# Altium PCB Motherboard.PcbDoc (part 3 of 3)
Units mil, origin at the board's own origin, x right, y up, seen from the top; angles counter-clockwise.
Board outline 10000.03 x 5000.03 mil, 6 copper layers (Top Layer, Mid Layer 1, Mid Layer 2, Mid Layer 3, Mid Layer 4, Bottom Layer), stack 47.126 mil thick; 319 components, 255 nets, 1281 pads, 1580 vias.
Unrouted connection lines stored in the file: 180.
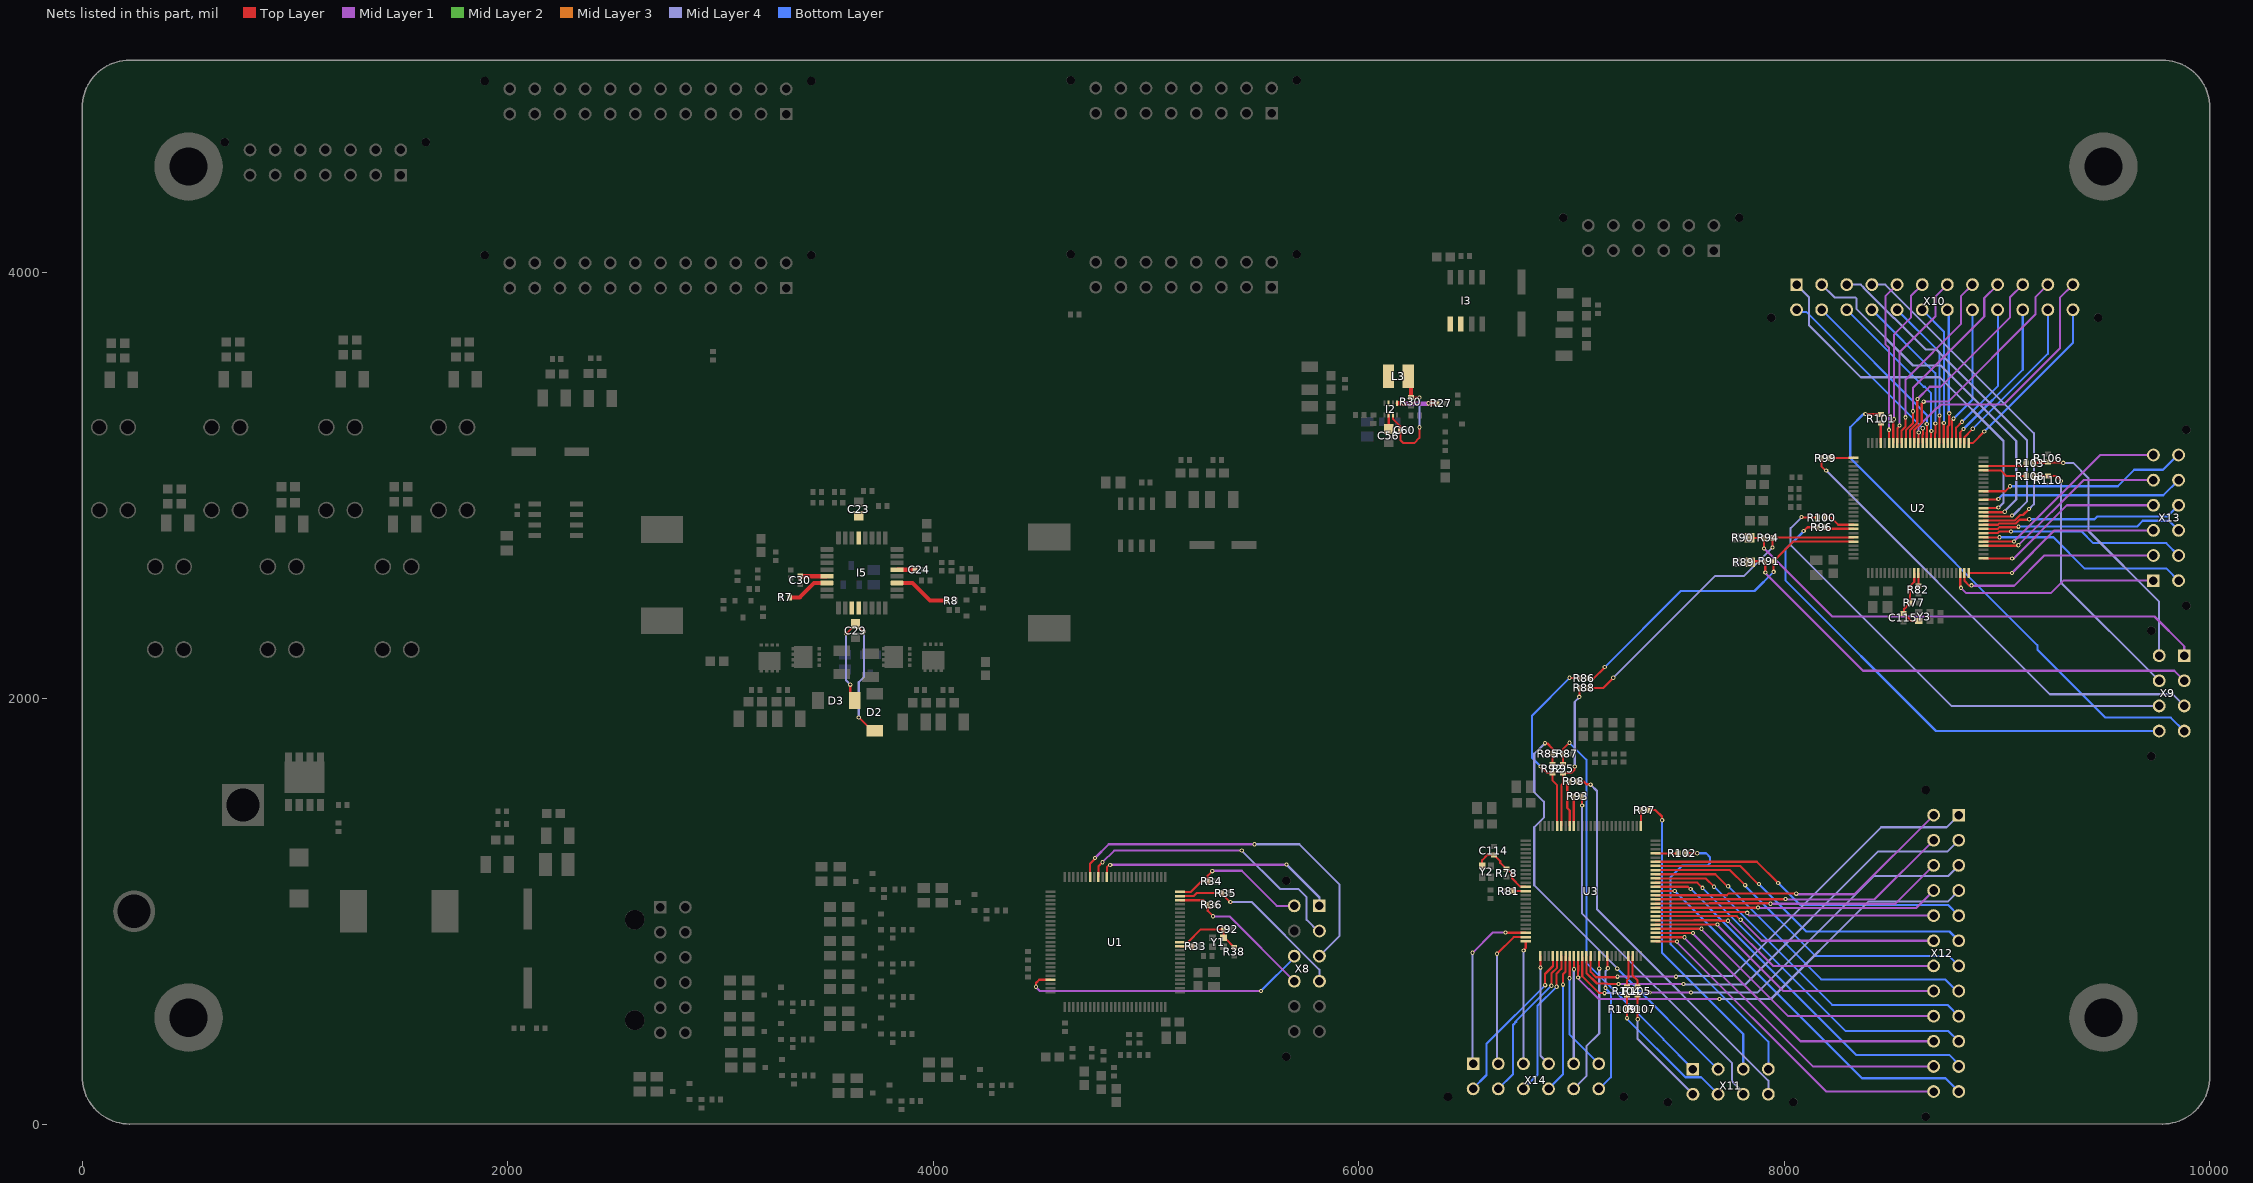
[diagram p7: the nets of this part, all layers, seen from the top]

## Via types
v1: diameter 20, hole 10, Top Layer to Bottom Layer, tented both sides, 1580 vias

## Nets (pads, with @x,y where several pads share a name; then routed paths per layer and width w, separated by ;. In a path a pad name is that pad's centre, name@x,y a point inside that pad or via, vN(x,y) a via of type N, cw(c..) or ccw(c..) an arc to the next point about the centre after c; other vN are vias at no path point) (continued)
NetR85_2: R85.2 R92.2 X11.P$2 | length 2069.4
  Top Layer w10: v1(6875,1790) 6876.91,1788.09 6886.91,1788.09 6909.84,1765.16 6909.84,1689.84 R92.2@6910,1689.68
  Mid Layer 4 w10: v1(6875,1790) 6825,1740 6825,1560 6870,1515 6870,1485 6870,1440 6825,1395 6825,1121.88 7215,731.88 v1(7215,730)
  Bottom Layer w10: v1(7215,730) 7215.94,730 7687.83,258.11 X11.P$2@7688.77,258.11
NetR87_2: R87.2 R95.2 X11.P$1 | length 1891.3
  Top Layer w10: R95.2@6960,1689.68 6960.16,1689.84 R87.2@6960.16,1739.84 ; R87.2@6960.31,1740 6960.31,1741.97 6960.79,1742.44 6960.79,1762.92 v1(6990,1792.13)
  Bottom Layer w10: v1(6990,1792.13) 7070,1712.13 7070,758.28 7267.97,560.31 7271.5,560.31 7432.9,398.9 7432.9,395.87 X11.P$1@7570.66,258.11
NetR89_2: R89.2 R91.2 X9.P$2 | length 2304.3
  Top Layer w10: R89.2@7840,2641.5 7843.5,2645 7910,2645 7910.67,2644.33 7910.67,2592.85 v1(7911.02,2592.5)
  Mid Layer 1 w10: v1@7910,2590 8370,2130 9833.12,2130 X9.P$2@9880,2083.12
NetR90_1: R90.1 R94.2 X9.P$1 | length 2329.4
  Top Layer w10: R90.1@7835,2755 R90.1@7836.5,2755 7905,2755 7905.16,2754.84 7905.16,2705.16 v1(7905,2705)
  Mid Layer 1 w10: v1(7905,2705) 8225,2385 9740,2385 9880,2245 X9.P$1@9880,2201.23
NetR93_1: R93.1 U3.92 | length 140.3
  Top Layer w10: R93.1@7010.31,1540 7010.31,1418.78 7011.26,1417.83 U3.92@7011.26,1400.12
NetR93_2: R93.2 X11.P$7 | length 1711.6
  Top Layer w10: v1(7049.84,1496.89) 7049.76,1496.97 7049.76,1539.76 R93.2@7050,1540
  Mid Layer 4 w10: v1@7048.82,1494.39 7048.82,991.18 7755,285 7755,200 7806.89,148.11 X11.P$7@7806.89,140
NetR96_1: R96.1 U2.93 | length 131.6
  Top Layer w10: R96.1@8195,2800 8197.4,2797.6 8324.29,2797.6 U2.93@8325.2,2796.69
NetR96_2: R96.2 X9.P$8 | length 2386.6
  Top Layer w10: v1(8091.02,2787.5) 8091.37,2787.5 8108.88,2805 R96.2@8155,2805
  Bottom Layer w10: v1@8090,2785 8005,2700 8005,2555 8713.11,1846.89 X9.P$8@9761.89,1846.89
NetR97_1: R97.1 U3.76 | length 75.4
  Top Layer w10: R97.1@7325,1475 7325.77,1474.23 7325.77,1400.57 U3.76@7326.22,1400.12
NetR97_2: R97.2 X11.P$3 | length 1419.3
  Top Layer w10: R97.2@7364.69,1475 7395,1475 7425,1445 v1@7425,1425
  Mid Layer 2 w10: X11.P$3@7806.89,263.11 X11.P$3@7810,260
  Bottom Layer w10: v1(7426.02,1427.5) 7426.02,803.98 7806.89,423.11 X11.P$3@7806.89,263.11
NetR98_1: R98.1 U3.93 | length 218.9
  Top Layer w10: R98.1@6990.31,1610 6990.31,1608.03 6980,1597.72 6980,1485 6991.57,1473.43 U3.93@6991.57,1400.12
NetR98_2: R98.2 X11.P$8 | length 1867.1
  Top Layer w10: R98.2@7030,1610 7057.29,1610 7070.38,1596.91 7088.09,1596.91 v1(7090,1595)
  Mid Layer 4 w10: v1(7090,1595) 7120,1565 7120,1008.66 7925,203.66 X11.P$8@7925,140
NetR99_1: R99.1 U2.76 | length 110.8
  Top Layer w10: R99.1@8215,3130 8215.67,3130.67 8324.53,3130.67 U2.76@8325.2,3131.34
NetR99_2: R99.2 X9.P$3 | length 2207.6
  Top Layer w10: R99.2@8175.31,3130 8175.31,3089.68 v1@8195,3070
  Mid Layer 4 w10: v1(8196.75,3071.46) 9248.2,2020 9825,2020 9875,1970 X9.P$3@9880,1970
NetR100_1: R100.1 U2.92 | length 144.4
  Top Layer w10: R100.1@8194.68,2850 8220,2850 8253.62,2816.38 U2.92@8325.2,2816.38
NetR100_2: R100.2 X9.P$7 | length 2271.7
  Top Layer w10: v1@8080,2850 8081.25,2851.25 8154.07,2851.25 R100.2@8155.31,2850
  Mid Layer 4 w10: v1@8080,2850 8030,2800 8030,2720 8785,1965 X9.P$7@9761.89,1965
  other v1: 8081.02,2852.5
NetR101_1: R101.1 U2.72 | length 95.8
  Top Layer w10: U2.72@8453.15,3200.24 8453.15,3293.46 R101.1@8455,3295.32
NetR101_2: R101.2 X9.P$4 | length 2427.4
  Top Layer w10: v1(8381.02,3337.5) 8382.43,3336.09 8453.91,3336.09 R101.2@8455,3335
  Bottom Layer w10: v1@8379.3,3335 8370,3335 8310,3275 8310,3130 8425,3015 9189.65,2250.35 9189.65,2230.35 9510,1910 9816.89,1910 X9.P$4@9880,1846.89
NetR102_1: R102.1 U3.72 | length 105.8
  Top Layer w10: U3.72@7395.12,1272.17 7497.83,1272.17 R102.1@7500,1270
NetR102_2: R102.2 X11.P$4 | length 1457.5
  Top Layer w10: R102.2@7539.69,1272.17 7539.85,1272.33 7592.67,1272.33 v1@7595,1270
  Bottom Layer w10: v1(7591.02,1272.5) 7632.5,1272.5 7650,1255 7650,1225 7640,1215 7520,1215 7465,1160 7465,845.86 7465.86,845 7466.81,845 7925,386.81 X11.P$4@7925,258.11
NetR103_1: R103.1 R106.1 X9.P$5 | length 1259.7
  Top Layer w10: R103.1@9174.68,3105 9177.34,3107.66 9237.66,3107.66 9240,3110 9241.09,3108.91 9309.62,3108.91 v1(9311.02,3107.5)
  Mid Layer 4 w10: v1(9311.02,3107.5) 9357.5,3107.5 9430,3035 9430,2786.76 9761.89,2454.87 X9.P$5@9761.89,2201.23
NetR103_2: R103.2 U2.48 | length 206.3
  Top Layer w10: U2.48@8935.43,3091.97 9124.25,3091.97 9135,3102.72 R103.2@9135,3105
NetR104_1: R104.1 R109.2 X11.P$6 | length 684.2
  Top Layer w10: R104.1@7260,605.32 7259.84,605.16 7259.84,540.16 7260.35,539.65 7260.35,498.17 v1(7261.02,497.5)
  Bottom Layer w10: v1@7260,495 7535.39,219.61 7609.16,219.61 X11.P$6@7688.77,140
NetR104_2: R104.2 U3.47 | length 147.8
  Top Layer w10: R104.2@7260,645 7260,675 7267.17,682.17 U3.47@7267.17,789.88
NetR105_1: R105.1 R107.1 X11.P$5 | length 571.3
  Top Layer w10: R105.1@7310,605.32 7310.16,605.16 7310.16,540.16 7310,540 7310.67,539.33 7310.67,492.85 v1(7311.02,492.5)
  Mid Layer 4 w10: v1@7310,490 7310,400.66 X11.P$5@7570.66,140
NetR105_2: R105.2 U3.48 | length 154.5
  Top Layer w10: U3.48@7286.85,789.88 7286.85,698.15 7310,675 R105.2@7310,645
NetR108_1: R108.1 R110.2 X9.P$6 | length 1263.7
  Top Layer w10: R108.1@9175,3045 9175.16,3044.84 9239.84,3044.84 R110.2@9240,3044.68 ; R110.2@9240,3045 9278.52,3045 v1(9301.02,3022.5)
  Mid Layer 4 w10: v1@9300,3020 9300,2545.01 X9.P$6@9761.89,2083.12
NetR108_2: R108.2 U2.47 | length 211.2
  Top Layer w10: U2.47@8935.43,3072.28 9016.97,3072.28 9044.25,3045 R108.2@9135.32,3045
NetU1_40: U1.40 X8.P$1 | length 1154.4
  Top Layer w10: U1.40@4815.94,1160.12 4815.94,1205.94 v1@4830,1220
  Mid Layer 1 w10: v1(4831.47,1217.48) 4832.73,1218.74 5658.74,1218.74 v1(5660,1220)
  Mid Layer 4 w10: v1(5660,1220) 5815.17,1064.83 ; X8.P$1@5815,1025.28 5815,1065
NetU1_42: U1.42 X8.P$2 | length 1339.2
  Top Layer w10: U1.42@4776.57,1160.12 4776.57,1211.57 v1(4795,1230)
  Mid Layer 1 w10: v1(4795,1230) 4850,1285 v1(5450,1285)
  Mid Layer 2 w10: X8.P$2@5810,905 X8.P$2@5815,905
  Mid Layer 4 w10: v1(5450,1285) 5630,1105 5715,1105 5755,1065 5755,960 X8.P$2@5810,905
NetU1_44: U1.44 X8.P$3 | length 1729.8
  Top Layer w10: U1.44@4737.2,1160.12 4737.2,1224.5 4760,1247.29 v1(4760,1250)
  Mid Layer 1 w10: v1(4760,1250) 4825,1315 v1(5510,1315)
  Mid Layer 4 w10: v1(5510,1315) 5720,1315 5910,1125 5910,884.06 5815.94,790 X8.P$3@5815,790
NetU1_72: U1.72 X8.P$9 | length 1387.7
  Top Layer w10: v1(4482.65,645.07) 4482.65,662.65 4497.83,677.83 U1.72@4550.2,677.83
  Mid Layer 1 w10: v1(4482.65,645.07) 4482.65,642.37 4500.02,625 v1(5540,625)
  Mid Layer 2 w10: X8.P$9@5696.89,781.89 X8.P$9@5696.89,789.06
  Bottom Layer w10: v1(5540,625) X8.P$9@5696.89,781.89
NetU2_23: U2.23 X13.P$1 | length 1010.9
  Top Layer w10: U2.23@8827.17,2590 8827.17,2525.54 8830,2522.71 v1(8830,2520)
  Mid Layer 1 w10: v1(8830,2520) 8855,2495 9253.11,2495 9311.89,2553.78 X13.P$1@9735,2553.78
NetU2_24: U2.24 X13.P$2 | length 994.7
  Top Layer w10: U2.24@8846.85,2590 8846.85,2553.15 8870,2530 8878.53,2530 v1(8880.12,2531.59)
  Mid Layer 1 w10: v1(8880.12,2531.59) 8881.72,2530 9080,2530 9221.89,2671.89 X13.P$2@9735,2671.89
NetU2_25: U2.25 X13.P$3 | length 951.3
  Top Layer w10: U2.25@8866.54,2590 v1(9070,2590)
  Mid Layer 1 w10: v1(9070,2590) 9270,2790 X13.P$3@9735,2790
NetU2_26: U2.26 X13.P$4 | length 900.4
  Top Layer w10: U2.26@8935.43,2658.9 8936.13,2658.2 9068.2,2658.2 v1@9070,2660
  Mid Layer 1 w10: v1@9075,2655 9328.12,2908.12 X13.P$4@9735,2908.12
  other v1: 9071.02,2657.5
NetU2_29: U2.29 X13.P$5 | length 927.5
  Top Layer w10: U2.29@8935.43,2717.95 8935.75,2717.64 9094.93,2717.64 9097.29,2720 v1(9100,2720)
  Mid Layer 1 w10: v1(9100,2720) 9406.23,3026.23 X13.P$5@9735,3026.23
NetU2_30: U2.30 X13.P$6 | length 969.4
  Top Layer w10: U2.30@8935.43,2737.64 v1(9080,2737.64)
  Mid Layer 1 w10: v1(9080,2737.64) 9080,2740 9484.34,3144.34 X13.P$6@9735,3144.34
NetU2_31: U2.31 X13.P$7 | length 997.1
  Top Layer w10: U2.31@8935.43,2757.32 9002.68,2757.32 v1@9005,2755
  Bottom Layer w10: v1(9011.02,2757.64) 9264.98,2757.64 9412.62,2610 9796.89,2610 X13.P$7@9853.11,2553.78
NetU2_32: U2.32 X13.P$8 | length 966.6
  Top Layer w10: U2.32@8935.43,2777.01 9002.11,2777.01 9010.1,2785 v1@9065,2785
  Bottom Layer w10: v1(9066,2784.53) 9397.97,2784.53 9452.5,2730 9795,2730 X13.P$8@9853.11,2671.89
NetU2_33: U2.33 X13.P$9 | length 952
  Top Layer w10: U2.33@8935.43,2796.69 9002.7,2796.69 9011.01,2805 v1@9100,2805
  Mid Layer 2 w10: X13.P$9@9853.11,2790 X13.P$9@9855,2790
  Bottom Layer w10: v1(9101.02,2807.5) 9657.5,2807.5 9685,2835 9808.11,2835 X13.P$9@9853.11,2790
NetU2_34: U2.34 X13.P$10 | length 955.7
  Top Layer w10: U2.34@8935.43,2816.38 9003.3,2816.38 9009.48,2822.56 9087.81,2822.56 9105.24,2840 v1@9150,2840
  Mid Layer 2 w10: v1@9150,2845 v1@9152.5,2842.5
  Bottom Layer w10: v1@9152.5,2842.5 9458.11,2842.5 9470.62,2855 9799.99,2855 X13.P$10@9853.11,2908.12
  other v1: 9151.02,2842.5
NetU2_35: U2.35 X10.P$4 | length 1653.6
  Top Layer w10: U2.35@8935.43,2836.06 9082.21,2836.06 9108.23,2862.07 9122.07,2862.07 v1(9150,2890)
  Mid Layer 4 w10: X10.P$4@8411.89,3945 8475,3945 9172.93,3247.07 9172.93,2912.93 v1(9150,2890)
NetU2_36: U2.36 X10.P$3 | length 1673.3
  Top Layer w10: U2.36@8935.43,2855.75 9063.04,2855.75 9067.29,2860 v1(9070,2860)
  Mid Layer 4 w10: X10.P$3@8293.78,3945 8360,3945 8373.39,3931.61 8373.39,3929.05 8514.05,3788.39 8516.61,3788.39 8665,3640 8715,3640 9140,3215 9140,2925 9075,2860 v1(9070,2860)
NetU2_37: U2.37 X10.P$2 | length 1702.3
  Top Layer w10: U2.37@8935.43,2875.43 9031.25,2875.43 9035,2879.18 v1@9035,2880
  Mid Layer 4 w10: X10.P$2@8175.67,3945 8235.67,3885 8334.14,3885 8340,3879.14 8340,3830 8605,3565 8735,3565 9090,3210 9090,2935 v1@9035,2880
  other v1: 9036.02,2877.5
NetU2_38: U2.38 X10.P$1 | length 1744.9
  Top Layer w10: U2.38@8935.43,2895.12 9000.94,2895.12 9005,2899.18 v1@9005,2900
  Mid Layer 4 w10: X10.P$1@8057.56,3945 8116.28,3886.28 8116.28,3753.72 8360,3510 8730,3510 9030,3210 9030,2920 v1@9010,2900
  other v1: 9006.02,2897.5
NetU2_40: U2.40 X13.P$11 | length 954.1
  Top Layer w10: U2.40@8935.43,2934.49 9000.31,2934.49 9001.4,2935.58 9004.42,2935.58 v1@9005,2935
  Bottom Layer w10: v1(9006.02,2937.5) 9023.53,2955 9781.88,2955 X13.P$11@9853.11,3026.23
NetU2_42: U2.42 X13.P$12 | length 984.8
  Top Layer w10: U2.42@8935.43,2973.86 9038.86,2973.86 v1@9060,2995
  Mid Layer 2 w10: X13.P$12@9849.34,3144.34 X13.P$12@9853.11,3144.34
  Bottom Layer w10: v1@9062.5,2997.5 9567.5,2997.5 9645,3075 9780,3075 X13.P$12@9849.34,3144.34
  other v1: 9061.02,2997.5
NetU2_51: U2.51 X10.P$24 | length 840.7
  Top Layer w10: U2.51@8866.54,3200.24 8885.24,3200.24 v1(8940,3255)
  Bottom Layer w10: v1(8940,3255) 9356.78,3671.78 X10.P$24@9356.78,3826.89
NetU2_52: U2.52 X10.P$23 | length 786.9
  Top Layer w10: U2.52@8846.85,3200.24 8847.76,3201.14 8847.76,3229.23 8883.53,3265 v1@8885,3265
  Bottom Layer w10: v1(8886.02,3267.5) 9238.67,3620.14 X10.P$23@9238.67,3826.89
NetU2_53: U2.53 X10.P$22 | length 748.2
  Top Layer w10: U2.53@8827.17,3200.24 8827.17,3250.93 8842.14,3265.91 v1(8842.14,3266.38)
  Bottom Layer w10: v1(8842.14,3266.38) 9120.56,3544.8 X10.P$22@9120.56,3826.89
NetU2_54: U2.54 X10.P$21 | length 709.5
  Top Layer w10: U2.54@8807.48,3200.24 8807.48,3272.48 v1(8835,3300)
  Bottom Layer w10: v1(8835,3300) 9005,3470 9005,3824.34 X10.P$21@9002.45,3826.89
NetU2_55: U2.55 X10.P$20 | length 666.6
  Top Layer w10: U2.55@8787.8,3200.24 8788.5,3200.94 8788.5,3305.79 8795,3312.29 v1(8795,3315)
  Bottom Layer w10: v1(8795,3315) 8884.34,3404.34 X10.P$20@8884.34,3826.89
NetU2_56: U2.56 X10.P$19 | length 638.1
  Top Layer w10: U2.56@8768.11,3200.24 8768.11,3278.48 8775,3285.37 v1(8775,3340) v1@8775,3345
  Bottom Layer w10: X10.P$19@8766.23,3826.89 8773.09,3820.03 8773.09,3341.91 v1(8775,3340)
NetU2_57: U2.57 X10.P$18 | length 669.5
  Top Layer w10: U2.57@8748.43,3200.24 8749.21,3201.02 8749.21,3294.21 v1(8750,3295)
  Bottom Layer w10: X10.P$18@8648.11,3826.89 8750,3725 v1(8750,3295)
NetU2_58: U2.58 X10.P$17 | length 710
  Top Layer w10: U2.58@8728.74,3200.24 8728.74,3271.49 8730,3272.75 v1(8730,3330)
  Bottom Layer w10: X10.P$17@8530,3826.89 8730,3626.89 v1(8730,3330)
NetU2_59: U2.59 X10.P$16 | length 751.4
  Top Layer w10: U2.59@8709.06,3200.24 8709.06,3247.24 8711.02,3249.21 8711.02,3291.47 v1(8710,3292.5)
  Bottom Layer w10: X10.P$16@8411.89,3826.89 8710,3528.78 v1(8710,3292.5)
NetU2_60: U2.60 X10.P$15 | length 796.7
  Top Layer w10: U2.60@8689.37,3200.24 8690.2,3201.06 8690.2,3259.8 v1@8690,3260
  Bottom Layer w10: X10.P$15@8293.78,3826.89 8655.67,3465 8660,3465 8690,3435 8690,3258.52 v1(8691.02,3257.5)
NetU2_61: U2.61 X10.P$14 | length 832.4
  Top Layer w10: U2.61@8669.69,3200.24 8669.69,3249.75 8671.02,3251.09 8671.02,3288.98 v1(8670,3290)
  Bottom Layer w10: X10.P$14@8175.67,3826.89 8670,3332.56 v1(8670,3290)
NetU2_62: U2.62 X10.P$13 | length 895.5
  Top Layer w10: U2.62@8650,3200 8650,3239.87 8652.15,3242.02 8652.15,3268.87 v1(8651.02,3270)
  Bottom Layer w10: X10.P$13@8057.56,3826.89 8067.17,3817.28 8103.75,3817.28 v1(8651.02,3270)
NetU2_63: U2.63 X10.P$12 | length 1215.4
  Top Layer w10: v1@8630,3245 8630.32,3244.68 U2.63@8630.32,3200.24
  Mid Layer 1 w10: v1(8632.15,3250.3) 8631.02,3251.43 8631.02,3279.31 8716.72,3365 8720,3365 8736.5,3381.5 9031.5,3381.5 9295,3645 9295,3883.22 X10.P$12@9356.78,3945
NetU2_64: U2.64 X10.P$11 | length 1072.3
  Top Layer w10: U2.64@8610.63,3200.24 8610.63,3261.57 8646.02,3296.96 8646.02,3386.02 v1(8655,3395)
  Mid Layer 1 w10: v1(8655,3395) 8770,3395 9180,3805 9180,3886.33 X10.P$11@9238.67,3945
NetU2_65: U2.65 X10.P$10 | length 991.4
  Top Layer w10: U2.65@8590.94,3200.24 8590.94,3260.97 8625,3295.03 v1@8625,3405
  Mid Layer 1 w10: v1(8626.02,3407.5) 8683.53,3465 8735,3465 9060,3790 9060,3884.44 X10.P$10@9120.56,3945
NetU2_66: U2.66 X10.P$9 | length 923.4
  Top Layer w10: U2.66@8571.26,3200.24 8571.26,3260.38 8605,3294.12 v1(8605,3350)
  Mid Layer 1 w10: v1(8605,3350) 8605,3460 8940,3795 8940,3882.55 X10.P$9@9002.45,3945
NetU2_67: U2.67 X10.P$8 | length 881.7
  Top Layer w10: U2.67@8551.57,3200.24 8551.57,3259.79 8569.32,3277.54 8569.32,3319.32 v1@8570,3320
  Mid Layer 1 w10: v1(8569.32,3321.17) 8569.32,3498.8 8830,3759.48 8830,3890.66 X10.P$8@8884.34,3945
NetU2_68: U2.68 X10.P$7 | length 843.9
  Top Layer w10: U2.68@8531.89,3200.24 8531.89,3270.66 8540,3278.77 v1@8540,3285
  Mid Layer 1 w10: v1(8541.02,3282.5) 8541.02,3626.02 8710,3795 8710,3888.77 X10.P$7@8766.23,3945
NetU2_69: U2.69 X10.P$6 | length 803.1
  Top Layer w10: U2.69@8512.2,3200.24 8512.2,3305.97 8515,3308.77 v1@8515,3315
  Mid Layer 1 w10: v1(8516.02,3312.5) 8516.02,3711.02 8595,3790 8595,3891.89 X10.P$6@8648.11,3945
NetU2_70: U2.70 X10.P$5 | length 774.8
  Top Layer w10: v1(8492.2,3262.5) 8492.36,3262.34 8492.36,3200.39 U2.70@8492.52,3200.24
  Mid Layer 1 w10: v1(8492.2,3262.5) 8492.2,3647.8 8475,3665 8475,3890 X10.P$5@8530,3945
NetU3_23: U3.23 X14.P$1 | length 812.9
  Top Layer w10: v1(6690,900) 6690.94,899.06 6783.98,899.06 U3.23@6784.88,898.15
  Mid Layer 1 w10: v1(6535,805) 6630,900 v1(6690,900)
  Mid Layer 3 w10: X14.P$1@6535,285.66 X14.P$1@6537.55,283.11
  Mid Layer 4 w10: X14.P$1@6535,285.66 v1(6535,805)
NetU3_24: U3.24 X14.P$2 | length 686.6
  Top Layer w10: v1(6650,800) 6728.46,878.46 U3.24@6784.88,878.46
  Mid Layer 3 w10: X14.P$2@6650,288.77 X14.P$2@6655.66,283.11
  Mid Layer 4 w10: X14.P$2@6650,288.77 v1(6650,800)
NetU3_25: U3.25 X14.P$3 | length 580.3
  Top Layer w10: v1(6775,815) 6775,817.71 6784.88,827.59 U3.25@6784.88,858.78
  Mid Layer 3 w10: X14.P$3@6773.77,283.11 X14.P$3@6774.39,283.73 ; v1@6774.39,814.38 v1(6775,815)
  Mid Layer 4 w10: X14.P$3@6774.39,283.73 v1@6774.39,814.38
NetU3_26: U3.26 X14.P$4 | length 526
  Top Layer w10: v1@6850,735 6853.78,738.78 U3.26@6853.78,789.88
  Mid Layer 3 w10: X14.P$4@6890,280 X14.P$4@6890,285
  Mid Layer 4 w10: v1(6854.19,734.71) 6854.19,320.81 X14.P$4@6890,285
NetU3_29: U3.29 X14.P$7 | length 779.3
  Top Layer w10: v1@6875,655 6875,705 6912.83,742.83 U3.29@6912.83,789.88
  Bottom Layer w10: X14.P$7@6535,165 6600,230 6600,376.47 v1(6876.02,652.5)
NetU3_30: U3.30 X14.P$8 | length 741.3
  Top Layer w10: v1(6905,650) 6905,707.32 6932.52,734.84 U3.30@6932.52,789.88
  Bottom Layer w10: X14.P$8@6655.66,165 6725,234.34 6725,465 6740,480 ; 6735.27,480.27 v1(6905,650)
NetU3_31: U3.31 X14.P$9 | length 702.6
  Top Layer w10: v1(6930,645) 6930,707.48 6952.2,729.68 U3.31@6952.2,789.88
  Mid Layer 2 w10: X14.P$9@6770,165 X14.P$9@6773.77,165
  Bottom Layer w10: X14.P$9@6773.77,165 6840,231.23 6840,555 v1(6930,645)
NetU3_32: U3.32 X14.P$10 | length 658
  Top Layer w10: v1(6960,655) 6960,703.73 6971.5,715.23 6971.5,745.49 6971.89,745.88 U3.32@6971.89,789.88
  Bottom Layer w10: X14.P$10@6891.89,165 6960,233.11 v1(6960,655)
NetU3_33: U3.33 X14.P$6 | length 560.2
  Top Layer w10: v1(6990,685) 6991.57,686.57 U3.33@6991.57,785.47
  Bottom Layer w10: v1(6990,685) 6990,440 6990,421.22 X14.P$6@7128.11,283.11
NetU3_34: U3.34 X14.P$5 | length 507.2
  Top Layer w10: U3.34@7011.14,789.53 7011.42,789.25 7011.42,727.66 v1(7011.57,727.5)
  Mid Layer 3 w10: X14.P$5@7010,283.11 X14.P$5@7010.51,283.62 ; v1@7010.51,726.43 v1(7011.57,727.5)
  Mid Layer 4 w10: X14.P$5@7010.51,283.62 v1@7010.51,726.43
NetU3_35: U3.35 X12.P$4 | length 2143.3
  Top Layer w10: v1(7030.98,688.63) 7030.98,718.62 7031.57,719.21 7031.57,744.66 7030.98,745.26 U3.35@7030.98,789.84
  Mid Layer 1 w10: v1@7030,685 7127.5,587.5 7205,587.5 v1(7696.02,587.5)
  Mid Layer 4 w10: v1(7696.02,587.5) 7937.5,587.5 8395,1045 8767.55,1045 X12.P$4@8820,1097.45
NetU3_36: U3.36 X12.P$3 | length 2136.7
  Top Layer w10: U3.36@7050.63,784.37 7050.63,694.37 7130,615 v1(7155,615)
  Mid Layer 1 w10: v1(7366.02,617.5) 7557.5,617.5 v1@7560,615
  Mid Layer 4 w10: v1(7155,615) v1@7365,615 ; v1(7561.02,617.5) 7872.5,617.5 8420,1165 8769.44,1165 8814.44,1210 X12.P$3@8820,1210
NetU3_37: U3.37 X12.P$2 | length 2135.9
  Top Layer w10: U3.37@7070,790 7070,710 7120,660 7168.28,660 7170.79,657.5 v1(7221.02,657.5)
  Mid Layer 1 w10: v1@7222.5,657.5 v1(7526.02,657.5)
  Mid Layer 3 w10: v1@7220,660 v1@7222.5,657.5
  Mid Layer 4 w10: v1@7525,655 7815,655 8440,1280 8766.33,1280 X12.P$2@8820,1333.67
NetU3_38: U3.38 X12.P$1 | length 2129.2
  Top Layer w10: U3.38@7090,789.88 7090,715 7115,690 v1@7215,690
  Mid Layer 1 w10: v1(7216.02,692.5) v1@7487.5,692.5
  Mid Layer 3 w10: v1@7487.5,692.5 v1@7490,695
  Mid Layer 4 w10: v1@7490,695 7490.59,694.41 7495.64,694.41 7496.23,695 7755,695 8455,1395 8763.22,1395 X12.P$1@8820,1451.78
  other v1: 7491.02,692.5
NetU3_40: U3.40 X14.P$11 | length 674.8
  Top Layer w10: U3.40@7129.37,789.88 7129.69,789.57 7129.69,730.32 v1(7130,730)
  Mid Layer 4 w10: X14.P$11@7010,165 7070,225 7070,365 7130,425 v1(7130,730)
NetU3_42: U3.42 X14.P$12 | length 666.6
  Top Layer w10: U3.42@7168.74,789.88 7168.74,731.23 v1@7169.74,730.23
  Mid Layer 4 w10: v1(7160,640) 7160,718.56 7170.76,729.32 v1(7170.76,732.03)
  Bottom Layer w10: X14.P$12@7128.11,165 7130,165 7185,220 7185,613.28 7160,638.28 v1(7160,640)
NetU3_51: U3.51 X12.P$24 | length 1599.9
  Top Layer w10: U3.51@7395,860 7397.5,857.5 v1(7496.02,857.5)
  Mid Layer 1 w10: v1@7495,855 8197.44,152.56 X12.P$24@8701.89,152.56
NetU3_52: U3.52 X12.P$23 | length 1558.1
  Top Layer w10: U3.52@7395.12,878.46 7395.6,877.98 7527.98,877.98 v1@7530,880
  Mid Layer 1 w10: v1@7530,875 8134.33,270.67 X12.P$23@8701.89,270.67
  other v1: 7531.02,877.5
NetU3_53: U3.53 X12.P$22 | length 1517.8
  Top Layer w10: U3.53@7395.12,898.15 7395.44,897.82 7567.18,897.82 v1@7570,895
  Mid Layer 1 w10: v1@7570,895 8076.22,388.78 X12.P$22@8701.89,388.78
  other v1: 7571.02,897.5
NetU3_54: U3.54 X12.P$21 | length 1476.9
  Top Layer w10: U3.54@7395.12,917.83 7395.29,917.67 7607.67,917.67 v1@7610,920
  Mid Layer 1 w10: v1@7610,915 8018.11,506.89 X12.P$21@8701.89,506.89